# Altium PCB Main_Power_Uint_1st.PcbDoc (part 1 of 2) (continued)
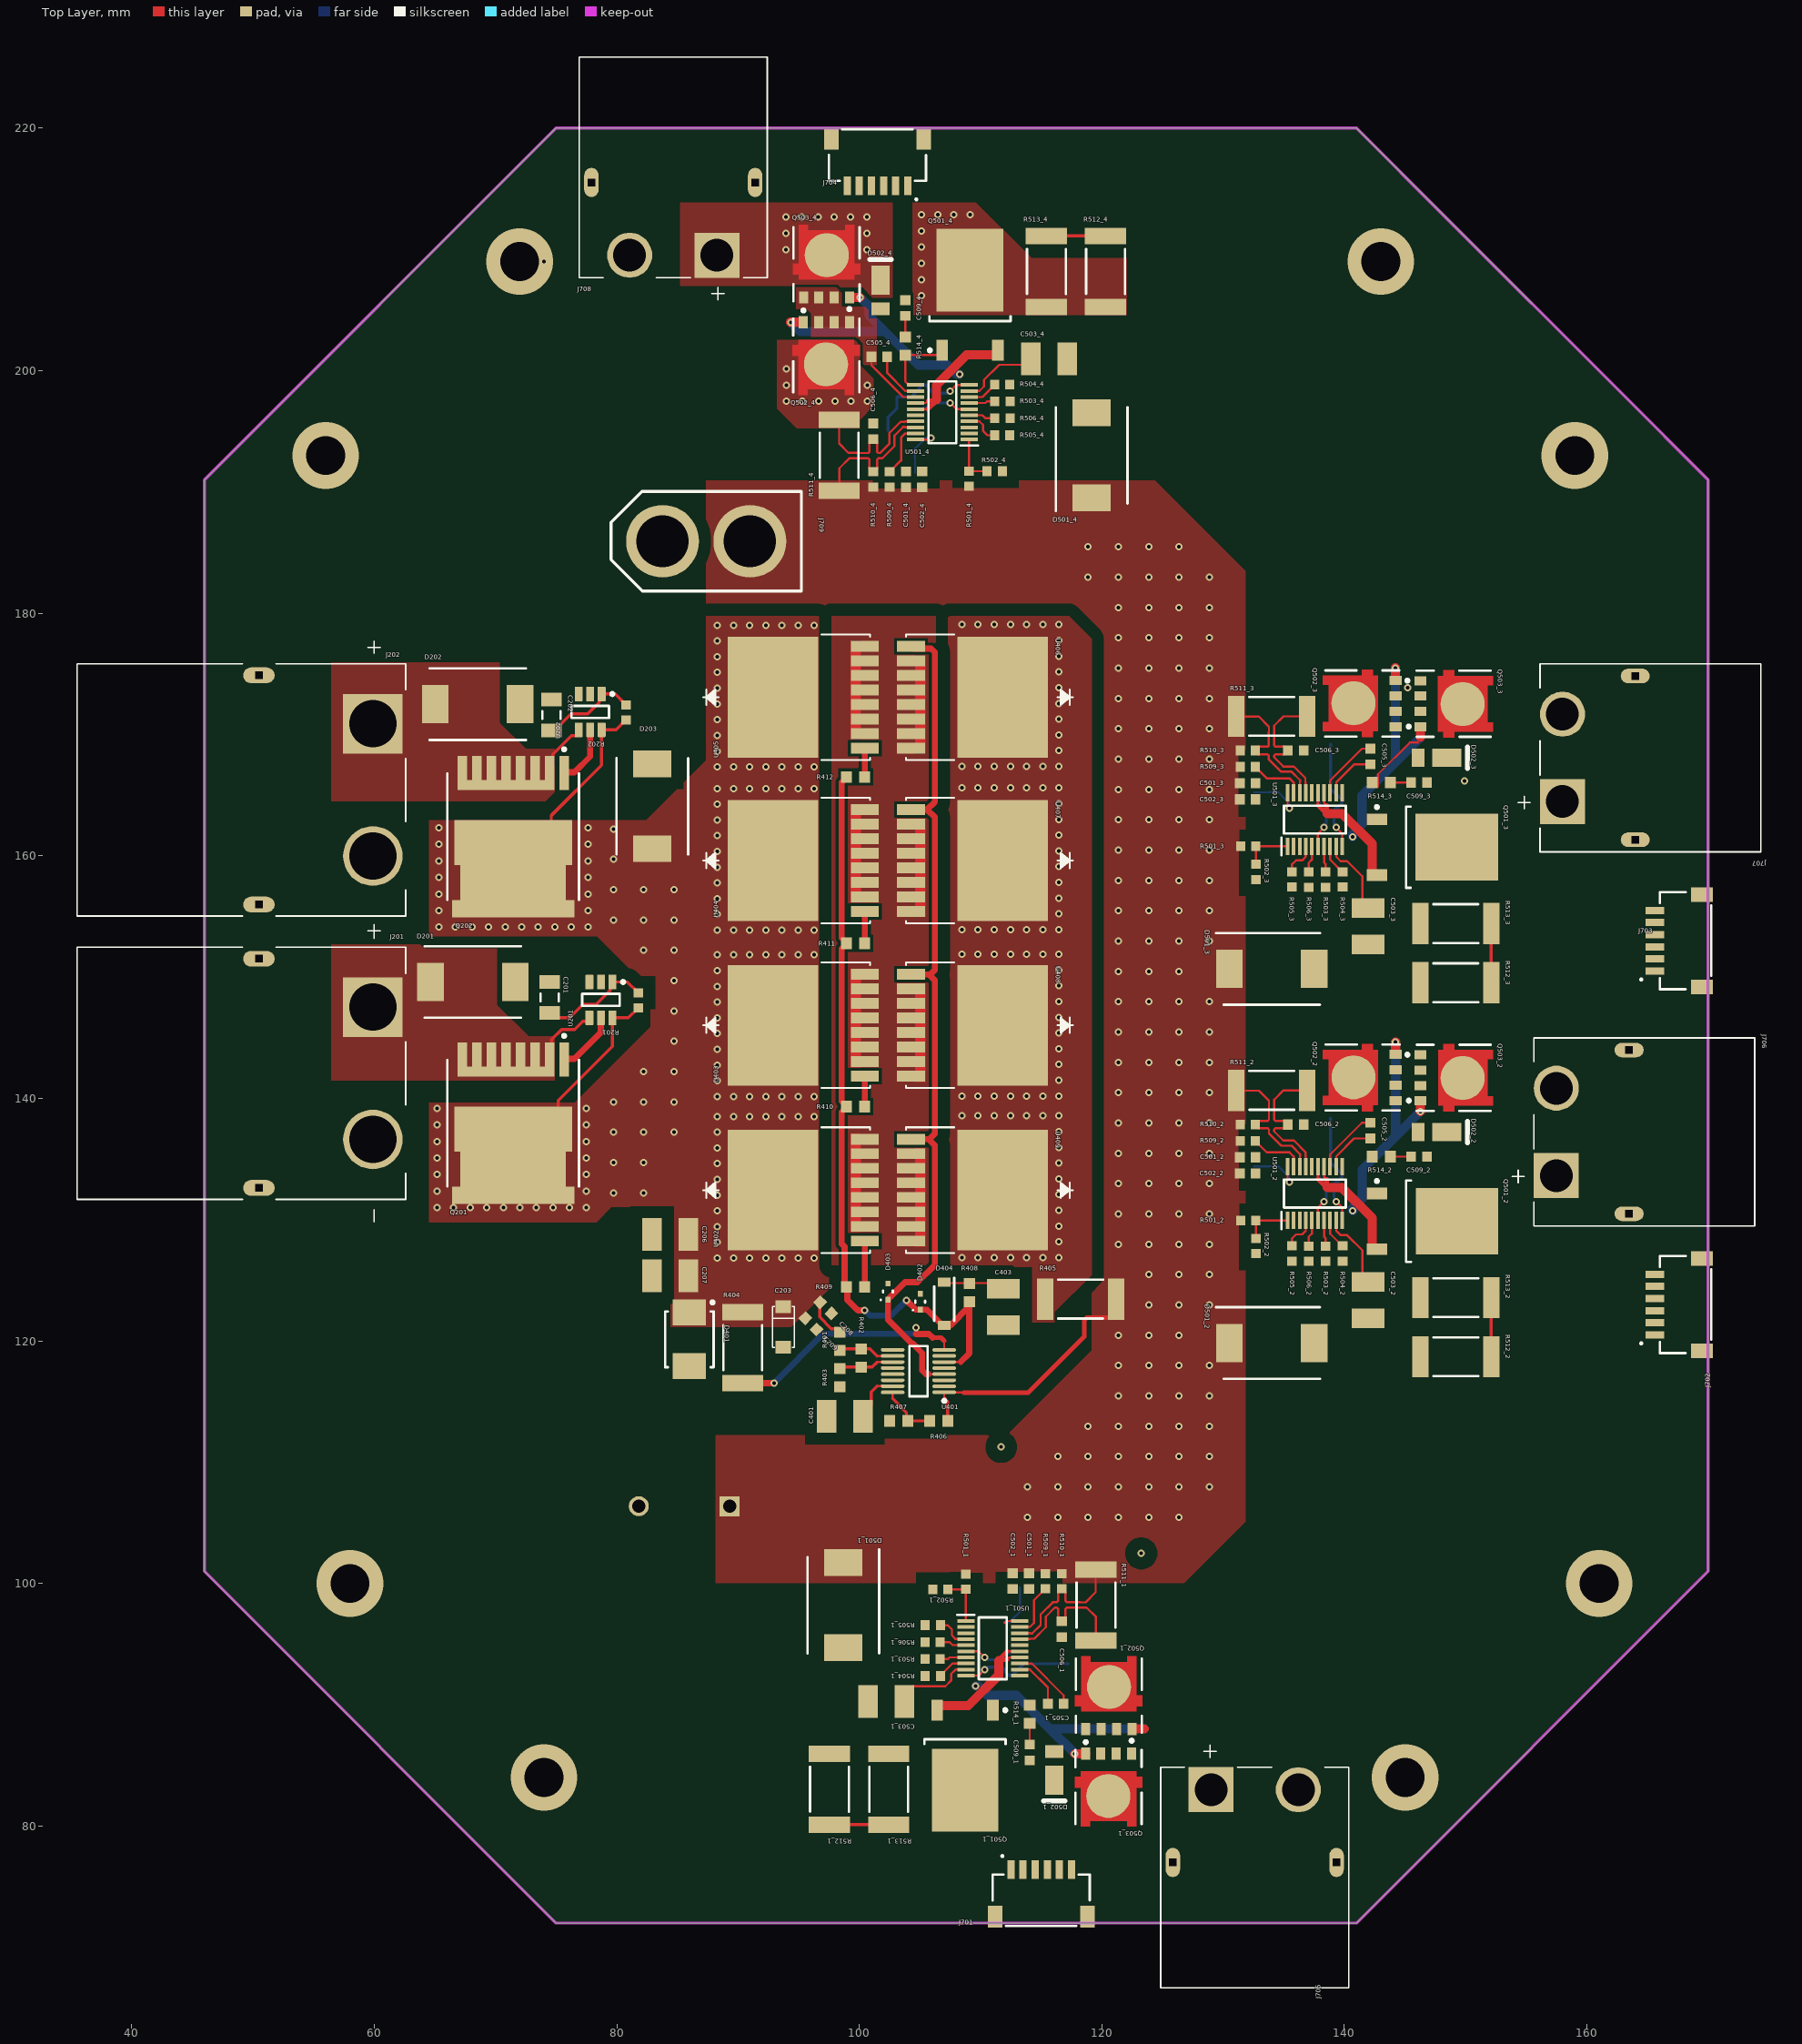
[diagram p0: Top Layer view]
## Components (designator, comment, footprint, x,y, rotation, side; value= is the part's Value field where it differs from the comment)
C201 "non-polar_Capacitor" 1206 74.457,148.317 r270 top
C202 "non-polar_Capacitor" 1206 74.605,171.612 r270 top
C203 "Capacitor_tantal" SMD_Capacitor_tantal 93.729,121.153 r90 top
C204 "470µF" CAPAE1900X2200N#1 81.995,167.179 r135 bottom
C205 "470µF" CAPAE1900X2200N#1 81.995,131.017 r225 bottom
C206 "non-polar_Capacitor" 1210 84.415,128.773 r180 top
C207 "non-polar_Capacitor" 1210 84.415,125.388 r0 top
C208 "non-polar_Capacitor" 0603#1 97.236,122.725 r135 top
C209 "non-polar_Capacitor" 0603#1 96.015,121.407 r135 top
C401 "non-polar_Capacitor" 1210 98.809,113.787 r0 top
C402 "B41858C9477M000" CAPPRD750W90D1800H3700 89.316,106.37 r180 bottom
C403 "non-polar_Capacitor" 1210 111.89,122.791 r90 top
C500_1 "470µF" CAPAE1900X2200N#2 108.853,165.1 r180 bottom (schematic designator C500)
C500_2 "470µF" CAPAE1900X2200N#2 139.954,99.695 r315 bottom (schematic designator C500)
C500_3 "470µF" CAPAE1900X2200N#2 139.954,189.484 r45 bottom (schematic designator C500)
C500_4 "470µF" CAPAE1900X2200N#2 108.853,134.493 r180 bottom (schematic designator C500)
C501_1 "CIN" 0603#1 114.003,100.196 r90 top (schematic designator C501)
C501_2 "CIN" 0603#1 132.031,135.148 r180 top (schematic designator C501)
C501_3 "CIN" 0603#1 132.028,165.988 r180 top (schematic designator C501)
C501_4 "CIN" 0603#1 103.848,191.039 r270 top (schematic designator C501)
C502_1 "CIN" 0603#1 112.657,100.196 r90 top (schematic designator C502)
C502_2 "CIN" 0603#1 132.031,133.802 r180 top (schematic designator C502)
C502_3 "CIN" 0603#1 132.028,164.642 r180 top (schematic designator C502)
C502_4 "CIN" 0603#1 105.194,191.039 r270 top (schematic designator C502)
C503_1 "C(TMR)" 1210 102.218,90.264 r0 top (schematic designator C503)
C503_2 "C(TMR)" 1210 141.963,123.363 r90 top (schematic designator C503)
C503_3 "C(TMR)" 1210 141.96,154.202 r90 top (schematic designator C503)
C503_4 "C(TMR)" 1210 115.633,200.971 r180 top (schematic designator C503)
C505_1 "CBST" 0603#1 116.198,90.086 r0 top (schematic designator C505)
C505_2 "CBST" 0603#1 142.141,137.343 r90 top (schematic designator C505)
C505_3 "CBST" 0603#1 142.138,168.183 r90 top (schematic designator C505)
C505_4 "CBST" 0603#1 101.653,201.149 r180 top (schematic designator C505)
C506_1 "C(SCP)" 0603#1 116.696,96.233 r270 top (schematic designator C506)
C506_2 "C(SCP)" 0603#1 135.994,137.841 r0 top (schematic designator C506)
C506_3 "C(SCP)" 0603#1 135.991,168.68 r0 top (schematic designator C506)
C506_4 "C(SCP)" 0603#1 101.155,195.002 r90 top (schematic designator C506)
C507_1 "C(TMR)" 0603#1 112.615,98.401 r0 bottom (schematic designator C507)
C507_2 "C(TMR)" 0603#1 133.826,133.76 r90 bottom (schematic designator C507)
C507_3 "C(TMR)" 0603#1 133.823,164.6 r90 bottom (schematic designator C507)
C507_4 "C(TMR)" 0603#1 105.236,192.834 r180 bottom (schematic designator C507)
C508_1 "C(TMR)" 1210 118.728,93.378 r0 bottom (schematic designator C508)
C508_2 "C(TMR)" 1210 138.849,139.873 r90 bottom (schematic designator C508)
C508_3 "C(TMR)" 1210 138.846,170.712 r90 bottom (schematic designator C508)
C508_4 "C(TMR)" 1210 102.362,193.556 r270 bottom (schematic designator C508)
C509_1 "C(TMR)" 0603#1 114.054,86.072 r270 top (schematic designator C509)
C509_2 "C(TMR)" 0603#1 146.155,135.199 r0 top (schematic designator C509)
C509_3 "C(TMR)" 0603#1 146.152,166.039 r0 top (schematic designator C509)
C509_4 "C(TMR)" 0603#1 103.797,205.163 r90 top (schematic designator C509)
D201 "SMDJ58A" DIONM7959X262N 68.131,149.592 r0 top
D202 "SMDJ58A" DIONM7959X262N 68.536,172.501 r0 top
D203 "SMDJ58A" DIONM7959X262N 82.934,164.079 r90 top
D401 "1SMB5945BT3G" ONSC-SMB-2-403A-03_H_V 85.982,120.137 r270 top
D402 "MM5Z15VT1G" ONSC-SOD-523-2-502-01_V 105.023,123.234 r90 top
D403 "MM5Z15VT1G" ONSC-SOD-523-2-502-01_V 102.365,124.074 r90 top
D404 "SMD110PL-TP" SODFL3616X135N 107,123.066 r270 top
D501_1 "SMLJ58AQ-TP" DIOM7959X282N 98.687,98.214 r270 top (schematic designator D501)
D501_2 "SMLJ58AQ-TP" DIOM7959X282N 134.013,119.832 r0 top (schematic designator D501)
D501_3 "SMLJ58AQ-TP" DIOM7959X282N 134.01,150.672 r0 top (schematic designator D501)
D501_4 "SMLJ58AQ-TP" DIOM7959X282N 119.164,193.021 r90 top (schematic designator D501)
D502_1 "DFLS1100-7" DIOD-POWERDI123-2_V 116.086,84.625 r270 top (schematic designator D502)
D502_2 "DFLS1100-7" DIOD-POWERDI123-2_V 147.602,137.231 r0 top (schematic designator D502)
D502_3 "DFLS1100-7" DIOD-POWERDI123-2_V 147.599,168.071 r0 top (schematic designator D502)
D502_4 "DFLS1100-7" DIOD-POWERDI123-2_V 101.765,206.61 r90 top (schematic designator D502)
J201 "XT90PW-M" AMASS_XT90PW-M 50.493,142.065 r270 top
J202 "XT90PW-M" AMASS_XT90PW-M 50.493,165.433 r270 top
J701 "SM06B-SRSS-TB__LF__SN_" SM06B-SRSS-TB 115,76 r0 top
J702 "SM06B-SRSS-TB__LF__SN_" SM06B-SRSS-TB 166,123 r90 top
J703 "SM06B-SRSS-TB__LF__SN_" SM06B-SRSS-TB 166,153 r90 top
J704 "SM06B-SRSS-TB__LF__SN_" SM06B-SRSS-TB 101.5,215.65 r180 top
J705 "XT60PW-M" XT60PW-M 132.6,77 r180 top
J706 "XT60PW-M" XT60PW-M 163.474,137.236 r270 top
J707 "XT60PW-M" XT60PW-M 163.982,168.072 r270 top
J708 "XT60PW-M" XT60PW-M 84.665,215.517 r0 top
J709 "XT60-F" XT60_F 87.376,185.934 r0 top
Q201 "Trans_Infineon_IPT015N10N5_eec" Infineon_IPT015N10N5_0 71.457,137.957 r180 top
Q202 "Trans_Infineon_IPT015N10N5_eec" Infineon_IPT015N10N5_0 71.457,161.579 r180 top
Q501_1 "IPD068N10N3 G" INF-PG-TO252-3-11_A_L 108.72,84.952 r270 top (schematic designator Q501)
Q501_2 "IPD068N10N3 G" INF-PG-TO252-3-11_A_L 147.275,129.865 r0 top (schematic designator Q501)
Q501_3 "IPD068N10N3 G" INF-PG-TO252-3-11_A_L 147.272,160.705 r0 top (schematic designator Q501)
Q501_4 "IPD068N10N3 G" INF-PG-TO252-3-11_A_L 109.131,206.283 r90 top (schematic designator Q501)
Q502_1 "NVMFS015N10MCLT1G" FP-488AA-MFG 120.573,90.741 r0 top (schematic designator Q502)
Q502_2 "NVMFS015N10MCLT1G" FP-488AA-MFG 141.486,141.718 r90 top (schematic designator Q502)
Q502_3 "NVMFS015N10MCLT1G" FP-488AA-MFG 141.483,172.558 r90 top (schematic designator Q502)
Q502_4 "NVMFS015N10MCLT1G" FP-488AA-MFG 97.278,201.256 r180 top (schematic designator Q502)
Q503_1 "NVMFS015N10MCLT1G" FP-488AA-MFG 120.552,83.214 r180 top (schematic designator Q503)
Q503_2 "NVMFS015N10MCLT1G" FP-488AA-MFG 149.013,141.697 r270 top (schematic designator Q503)
Q503_3 "NVMFS015N10MCLT1G" FP-488AA-MFG 149.01,172.537 r270 top (schematic designator Q503)
Q503_4 "NVMFS015N10MCLT1G" FP-488AA-MFG 97.299,208.783 r0 top (schematic designator Q503)
Q504_1 "MMBT3904" FAIR-SOT23-3_V 113.648,93.378 r0 bottom (schematic designator Q504)
Q504_2 "MMBT3904" FAIR-SOT23-3_V 138.849,134.793 r90 bottom (schematic designator Q504)
Q504_3 "MMBT3904" FAIR-SOT23-3_V 138.846,165.632 r90 bottom (schematic designator Q504)
Q504_4 "MMBT3904" FAIR-SOT23-3_V 104.203,197.857 r180 bottom (schematic designator Q504)
R201 "Resistor" 0603#2 81.791,148.077 r270 top
R202 "Resistor" 0603#2 80.775,171.826 r270 top
R401 "464kΩ" SMD_0603 98.384,119.96 r270 top
R402 "6.65kΩ" SMD_0603 100.162,118.587 r270 top
R403 "10kΩ" SMD_0603 98.384,116.962 r270 top
R404 "2.2kΩ" SMD_2512 90.383,119.446 r270 top
R405 "0.5mΩ" SMD_2512 118.24,123.439 r0 top
R406 "442kΩ" SMD_0603 106.544,113.406 r180 top
R407 "10kΩ" SMD_0603 103.25,113.406 r180 top
R408 "470Ω" SMD_0603 109.071,123.984 r90 top
R409 "10Ω" SMD_0603 99.704,124.459 r0 top
R410 "10Ω" SMD_0603 99.704,139.321 r0 top
R411 "10Ω" SMD_0603 99.704,152.783 r0 top
R412 "10Ω" SMD_0603 99.704,166.499 r0 top
R501_1 "R1" 0603#2 108.794,100.146 r90 top (schematic designator R501)
R501_2 "R1" 0603#2 132.081,129.939 r180 top (schematic designator R501)
R501_3 "R1" 0603#2 132.078,160.779 r180 top (schematic designator R501)
R501_4 "R1" 0603#2 109.057,191.089 r270 top (schematic designator R501)
R502_1 "R2" 0603#2 106.688,99.521 r0 top (schematic designator R502)
R502_2 "R2" 0603#2 132.706,127.833 r90 top (schematic designator R502)
R502_3 "R2" 0603#2 132.703,158.673 r90 top (schematic designator R502)
R502_4 "R2" 0603#2 111.163,191.714 r180 top (schematic designator R502)
R503_1 "R(IMON)" 0603#2 106.053,93.769 r0 top (schematic designator R503)
R503_2 "R(IMON)" 0603#2 138.458,127.198 r90 top (schematic designator R503)
R503_3 "R(IMON)" 0603#2 138.455,158.038 r90 top (schematic designator R503)
R503_4 "R(IMON)" 0603#2 111.798,197.466 r180 top (schematic designator R503)
R504_1 "R(IWRN)" 0603#2 106.063,92.372 r0 top (schematic designator R504)
R504_2 "R(IWRN)" 0603#2 139.855,127.208 r90 top (schematic designator R504)
R504_3 "R(IWRN)" 0603#2 139.852,158.048 r90 top (schematic designator R504)
R504_4 "R(IWRN)" 0603#2 111.788,198.863 r180 top (schematic designator R504)
R505_1 "R1" 0603#2 106.063,96.563 r0 top (schematic designator R505)
R505_2 "R1" 0603#2 135.664,127.208 r90 top (schematic designator R505)
R505_3 "R1" 0603#2 135.661,158.048 r90 top (schematic designator R505)
R505_4 "R1" 0603#2 111.788,194.672 r180 top (schematic designator R505)
R506_1 "R1" 0603#2 106.053,95.166 r0 top (schematic designator R506)
R506_2 "R1" 0603#2 137.061,127.198 r90 top (schematic designator R506)
R506_3 "R1" 0603#2 137.058,158.038 r90 top (schematic designator R506)
R506_4 "R1" 0603#2 111.798,196.069 r180 top (schematic designator R506)
R508_1 "R(ISCP)" 0603#2 113.25,100.296 r90 bottom (schematic designator R508)
R508_2 "R(ISCP)" 0603#2 131.931,134.395 r180 bottom (schematic designator R508)
R508_3 "R(ISCP)" 0603#2 131.928,165.235 r180 bottom (schematic designator R508)
R508_4 "R(ISCP)" 0603#2 104.601,190.939 r270 bottom (schematic designator R508)
R509_1 "R(ISCP)" 0603#2 115.349,100.199 r90 top (schematic designator R509)
R509_2 "R(ISCP)" 0603#2 132.027,136.494 r180 top (schematic designator R509)
R509_3 "R(ISCP)" 0603#2 132.025,167.334 r180 top (schematic designator R509)
R509_4 "R(ISCP)" 0603#2 102.502,191.035 r270 top (schematic designator R509)
R510_1 "R(SET)" 0603#2 116.696,100.199 r270 top (schematic designator R510)
R510_2 "R(SET)" 0603#2 132.027,137.841 r0 top (schematic designator R510)
R510_3 "R(SET)" 0603#2 132.025,168.68 r0 top (schematic designator R510)
R510_4 "R(SET)" 0603#2 101.155,191.035 r90 top (schematic designator R510)
R511_1 "1.25mΩ" SMD_2512 119.515,98.214 r90 top (schematic designator R511)
R511_2 "1.25mΩ" SMD_2512 134.013,140.66 r180 top (schematic designator R511)
R511_3 "1.25mΩ" SMD_2512 134.01,171.5 r180 top (schematic designator R511)
R511_4 "1.25mΩ" SMD_2512 98.336,193.021 r270 top (schematic designator R511)
R512_1 "220Ω" SMD_2512 97.544,83.047 r270 top (schematic designator R512)
R512_2 "220Ω" SMD_2512 149.18,118.689 r0 top (schematic designator R512)
R512_3 "220Ω" SMD_2512 149.177,149.529 r0 top (schematic designator R512)
R512_4 "220Ω" SMD_2512 120.307,208.188 r90 top (schematic designator R512)
R513_1 "220Ω" SMD_2512 102.43,83.047 r270 top (schematic designator R513)
R513_2 "220Ω" SMD_2512 149.18,123.575 r0 top (schematic designator R513)
R513_3 "220Ω" SMD_2512 149.177,154.415 r0 top (schematic designator R513)
R513_4 "220Ω" SMD_2512 115.421,208.188 r90 top (schematic designator R513)
R514_1 "220Ω" SMD_0603 114.054,89.2 r90 top (schematic designator R514)
R514_2 "220Ω" SMD_0603 143.027,135.199 r180 top (schematic designator R514)
R514_3 "220Ω" SMD_0603 143.024,166.039 r180 top (schematic designator R514)
R514_4 "220Ω" SMD_0603 103.797,202.035 r270 top (schematic designator R514)
U201 "FET_LM5050MK-1/NOPB" DDC0006A_M 78.696,148.117 r270 top
U202 "FET_LM5050MK-1/NOPB" DDC0006A_M 77.807,171.866 r270 top
U401 "LTC4364IMS-2#PBF" LT-MS-16_M 104.875,117.513 r180 top
U402 "IPT015N10N5ATMA1" PG-HSOF-8-1_INF 95.463,132.434 r90 top
U403 "IPT015N10N5ATMA1" PG-HSOF-8-1_INF 95.463,146.023 r90 top
U404 "IPT015N10N5ATMA1" PG-HSOF-8-1_INF 95.463,159.612 r90 top
U405 "IPT015N10N5ATMA1" PG-HSOF-8-1_INF 95.463,173.074 r90 top
U406 "IPT015N10N5ATMA1" PG-HSOF-8-1_INF 109.265,173.074 r270 top
U407 "IPT015N10N5ATMA1" PG-HSOF-8-1_INF 109.265,159.612 r270 top
U408 "IPT015N10N5ATMA1" PG-HSOF-8-1_INF 109.265,146.023 r270 top
U409 "IPT015N10N5ATMA1" PG-HSOF-8-1_INF 109.265,132.434 r270 top
U501_1 "TPS48111-Q1" SOP50P490X110-20N 111.006,94.658 r0 top (schematic designator U501)
U501_2 "TPS48111-Q1" SOP50P490X110-20N 137.569,132.151 r90 top (schematic designator U501)
U501_3 "TPS48111-Q1" SOP50P490X110-20N 137.566,162.991 r90 top (schematic designator U501)
U501_4 "TPS48111-Q1" SOP50P490X110-20N 106.845,196.577 r180 top (schematic designator U501)

## Footprints (in the part's own frame and the unit in brackets; to place one, negate y for a bottom-side part, rotate by r counter-clockwise, add the part's x,y. Pads: shape width x height; smd on the part's side, far side on the other; paste and mask are expansions set on the pad)
0603#1 [mm]
  rect 0.8x0.85 smd: 1(-0.65,0) 2(0.65,0)
  body extent -0.85,-0.45 0.85,0.45, height 1
0603#2 [mm]
  rect 0.75x0.8 smd: 1(-0.625,0) 2(0.625,0)
  body extent -0.85,-0.45 0.85,0.45, height 0.55
1206 [mm]
  rect 1.15x1.7 smd: 1(-1.275,0) 2(1.275,0)
  silkscreen extent -0.3,-0.75 0.3,0.75, body extent -1.7,-0.9 1.7,0.9, height 1.8
1210 [mm]
  rect 1.6x2.7 smd: 1(-1.5,0) 2(1.5,0)
  body extent -1.75,-1.4 1.75,1.4, height 2.8
AMASS_XT90PW-M [mm]
  round 4.916 hole 3.9: N(5.45,9.4)
  rect 4.916x4.916 / inner round 4.916 / far side rect 4.916x4.916 hole 3.9: P(-5.45,9.4)
  oval 1.3x2.6 hole 0.6 square: S1(-9.45,0) S2(9.45,0)
  silkscreen extent -12.25,-15 12.25,12.1, body extent -10.6,-15 10.6,12.1, height 10.3
CAPAE1900X2200N#1 [mm]
  rect 8.05x2.45 smd: 1(-7.25,0) 2(7.25,0)
  silkscreen extent -11.28,-9.5 9.5,9.5, body extent -10.5,-9.5 10.5,9.5, height 22
CAPAE1900X2200N#2 [mm]
  rect 8.06x2.41 smd: 1(-7.225,0) 2(7.225,0)
  silkscreen extent -10.35,-9.5 9.5,9.5, body extent -10.5,-9.5 10.5,9.5, height 22
CAPPRD750W90D1800H3700 [mm]
  rect 1.65x1.65 hole 1.1: 1(0,0)
  round 1.65 hole 1.1: 2(7.5,0)
  silkscreen extent -5.25,-9 12.75,9, body extent -4.35,-8.1 11.85,8.1, height 35.86
DDC0006A_M [mm] "SOT23, 6-Leads, Body 3.05x1.75mm, Pitch 0.95mm, IPC Low Density"
  rrect15% 1.2x0.65 smd: 1(-1.475,0.95) 2(-1.475,0) 3(-1.475,-0.95) 4(1.475,-0.95) 5(1.475,0) 6(1.475,0.95)
  silkscreen extent -1.6,-1.55 0.5,1.95, body extent -1.43,-1.48 1.43,1.49, height 0.9
DIOD-POWERDI123-2_V [mm] "SOD, 2-Leads, Body 2.8x1.78mm"
  rect 1.05x1.5 smd: 1(-1.525,0)
  rect 2.4x1.5 smd: 2(0.85,0)
  silkscreen extent 2.55,-0.89 2.55,0.89, body extent -1.4,-0.89 1.4,0.89, height 1.01
DIOM7959X282N [mm]
  rect 2.2x3.15 smd: 1(-3.5,0) 2(3.5,0)
  silkscreen extent -4.6,-2.95 3.97,2.95, body extent -4,-3.05 4,3.05, height 2.5
DIONM7959X262N [mm]
  rect 2.2x3.15 smd: 1(-3.5,0) 2(3.5,0)
  silkscreen extent -3.97,-2.95 3.97,2.95, body extent -3.97,-2.95 3.97,2.95, height 2.62
FAIR-SOT23-3_V [mm] "SOT23, 3-Leads, Body 3.12x1.5mm, Pitch 0.95mm"
  rect 1.4x1 smd: 1(-1.1,0.95) 2(-1.1,-0.95) 3(1.1,0)
  silkscreen extent -1.22,-1.55 0.75,2.12, body extent -1.35,-1.56 1.35,1.56, height 1.2
FP-488AA-MFG [mm]
  rect 0.75x1 smd paste+0 mask+0: 1(-1.905,-2.748) 2(-0.635,-2.748) 3(0.635,-2.748) 4(1.905,-2.748)
  round 3.631 smd paste+0 mask+0: 5-6(0.021,0.735)
  Top Layer region: -2.28,-1.282 -2.28,-0.857 -2.775,-0.857 -2.775,0.048 -2.28,0.048 -2.28,3.247 -1.53,3.247 -1.53,2.773 1.53,2.773 1.53,3.247 2.28,3.247 2.28,0.048 2.775,0.048 2.775,-0.857 2.28,-0.857 2.28,-1.282
  silkscreen extent -2.73,-3.95 2.73,3.05, body extent -2.88,-3.35 2.88,3.35, height 0.25
INF-PG-TO252-3-11_A_L [mm] "DPAK, 3-Leads, Body 6.57x6.1mm, Pitch 2.29mm, IPC High Density"
  rect 1.7x0.95 smd: 1(-4.6,2.29) 3(-4.6,-2.29)
  rect 6.8x5.5 smd: 2(2,0)
  silkscreen extent -4.72,-3.35 -1.8,3.44, body extent -2.2,-3.37 4.02,3.37, height 2.41
Infineon_IPT015N10N5_0 [mm]
  rect 0.8x2.8 smd paste-1000 mask+0: 1(-4.2,-5.25)
  rect 0.8x2 smd paste-1000 mask+0: 2-8(-3,-5.65) 2-8(-1.8,-5.65) 2-8(-0.6,-5.65) 2-8(0.6,-5.65) 2-8(1.8,-5.65) 2-8(3,-5.65) 2-8(4.2,-5.65)
  rect 8x0.8 smd paste-1000 mask+0: 2-8(0.6,-4.25)
  rect 10.1x1.4 smd paste-1000 mask+0: Tab(0,5.95)
  rect 8.7x2.9 smd paste-1000 mask+0: Tab(0,3.8)
  rect 9.7x3.7 smd paste-1000 mask+0: Tab(0,0.5)
  silkscreen extent -5.43,-7.32 5.43,5.22, body extent -4.95,-5.33 4.95,6.34, height 2.3
LT-MS-16_M [mm] "SOP, 16-Leads, Body 4.1x3.1mm, Pitch 0.5mm, IPC Low Density"
  oval 1.95x0.3 smd: 1(-2.125,1.75) 2(-2.125,1.25) 3(-2.125,0.75) 4(-2.125,0.25) 5(-2.125,-0.25) 6(-2.125,-0.75) 7(-2.125,-1.25) 8(-2.125,-1.75) 9(2.125,-1.75) 10(2.125,-1.25) 11(2.125,-0.75) 12(2.125,-0.25) 13(2.125,0.25) 14(2.125,0.75) 15(2.125,1.25) 16(2.125,1.75)
  silkscreen extent -2.25,-2.08 0.75,2.57, body extent -1.55,-2.05 1.55,2.05, height 1.1
ONSC-SMB-2-403A-03_H_V [mm] "Molded, 2-Leads, Body 4.6x3.95mm"
  rect 2.159x2.743 smd: 1(-2.21,0) 2(2.21,0)
  silkscreen extent -3.16,-2 2.3,2.05, body extent -2.3,-1.97 2.3,1.97, height 2.42
ONSC-SOD-523-2-502-01_V [mm] "SOD, 2-Leads, Body 1.2x0.8mm"
  rect 0.48x0.4 smd: 1(-0.66,0) 2(0.66,0)
  silkscreen extent -0.75,-0.4 0.07,0.65, body extent -0.6,-0.4 0.6,0.4, height 0.7
PG-HSOF-8-1_INF [mil]
  rect 35x91 smd paste+0 mask+0: 1(-165.35,-196.5) 2(-118.11,-196.5) 3(-70.87,-196.5) 4(-23.62,-196.5) 5(23.62,-196.5) 6(70.87,-196.5) 7(118.11,-196.5) 8(165.35,-196.5)
  rect 392x294 smd paste+0 mask+0: 9(0,101)
  Top Layer region: -135.61,-183 -135.61,-151 182.85,-151 182.85,-183
  silkscreen extent -204,-214 204,328
SM06B-SRSS-TB [mm]
  rect 0.6x1.55 smd: 1(-2.5,0.4) 2(-1.5,0.4) 3(-0.5,0.4) 4(0.5,0.4) 5(1.5,0.4) 6(2.5,0.4)
  rect 1.2x1.8 smd: 7(3.8,-3.475) 8(-3.8,-3.475)
  silkscreen extent -4,-4.25 4,1.59, body extent -4,-4.18 4,0.77, height 2.96
SMD_0603 [mm] "SMD 0603 SIZE"
  rect 0.9x0.95 smd: 1(-0.75,0) 2(0.75,0)
  body extent -0.85,-0.48 0.85,0.48, height 0.55
SMD_2512 [mm] "SMD 2512 SIZE"
  rect 1.35x3.4 smd: 1(-2.925,0) 2(2.925,0)
  silkscreen extent -1.85,-1.6 1.85,1.6, body extent -3.25,-1.7 3.25,1.7, height 0.7
SMD_Capacitor_tantal [mm] "Molded Capacitor, 2-Leads, Body 3.20x1.65mm, IPC Medium Density"
  rect 1.05x1.3 smd: 1(-1.675,0) 2(1.675,0)
  silkscreen extent -1.7,-0.9 1.7,0.9, body extent -1.7,-0.9 1.7,0.9, height 1.8
SODFL3616X135N [mm]
  rect 0.74x1.07 smd: 1(-1.775,0) 2(1.775,0)
  silkscreen extent -2.14,-0.82 1.41,0.82, body extent -1.8,-0.8 1.8,0.8, height 1.2
SOP50P490X110-20N [mm]
  rect 1.425x0.3 smd: 1(-2.212,2.25) 2(-2.212,1.75) 3(-2.212,1.25) 4(-2.212,0.75) 5(-2.212,0.25) 6(-2.212,-0.25) 7(-2.212,-0.75) 8(-2.212,-1.25) 9(-2.212,-1.75) 10(-2.212,-2.25) 11(2.212,-2.25) 12(2.212,-1.75) 13(2.212,-1.25) 14(2.212,-0.75) 15(2.212,-0.25) 16(2.212,0.25) 17(2.212,0.75) 18(2.212,1.25) 19(2.212,1.75) 20(2.212,2.25)
  silkscreen extent -2.92,-2.55 1.15,2.75, body extent -2.45,-2.55 2.45,2.55, height 1.1
XT60_F [mm]
  round 6 hole 4.3: 1(-3.6,0) 2(3.6,0)
  silkscreen extent -7.85,-4.1 7.85,4.1, body extent -7.8,-4 7.8,4, height 16.8
XT60PW-M [mm]
  rect 3.716x3.716 / inner round 3.716 / far side rect 3.716x3.716 hole 2.7: 1(3.6,-6)
  round 3.716 hole 2.7: 2(-3.6,-6)
  oval 1.2x2.4 hole 0.6 square: S1(6.75,0) S2(-6.75,0)
  silkscreen extent -7.75,-9.66 7.75,10.35, body extent -7.75,-7.85 7.75,10.35, height 8.4

## Part data
C201 C202: library part CMP-024-000020-15, "SMD type ceramic capacitor", Capacitance=0.1µF, Voltage=100V, Design Item ID=Capacitor, Source=robit_passive.SchLib
C203: library part CMP-024-000021-5, "SMD type tantalum capacitor", Capacitance=100nF, Voltage=63V, Design Item ID=Capacitor_tantal, Source=robit_passive.SchLib
C204 C205: library part MAL215099913E3, "Capacitor Polarised", Manufacturer_Name=Vishay, Mouser Part Number=594-MAL215099913E3, Arrow Part Number=MAL215099913E3, Arrow Price/Stock=null?region=nac, Datasheet Link=https://www.vishay.com/docs/28395/150crz.pdf, Height=22mm, Manufacturer_Part_Number=MAL215099913E3, Mouser Price/Stock=https://www.mouser.co.uk/ProductDetail/Vishay-BC-Components/MAL215099913E3?qs=bKenfurwlsm0xND%252Ba3hAeg%3D%3D
C206 C207: library part CMP-024-000020-16, "SMD type ceramic capacitor", Capacitance=4.7µF, Voltage=100V, Design Item ID=Capacitor, Source=robit_passive.SchLib
C208 C209: library part CMP-024-000020-16, "SMD type ceramic capacitor", Capacitance=0.1µF, Voltage=100V, Design Item ID=Capacitor, Source=robit_passive.SchLib
C401: library part CMP-024-000020-15, "SMD type ceramic capacitor", Capacitance=0.47µF, Voltage=50V, Design Item ID=Capacitor, Source=robit_passive.SchLib
C402: "Capacitor Polarised", Manufacturer_Name=TDK, Mouser Part Number=871-B41858C9477M, Datasheet Link=https://product.tdk.com/system/files/dam/doc/product/capacitor/aluminum-electrolytic/single-ended/data_sheet/20/30/db/aec/b41858.pdf, Height=37mm, Manufacturer_Part_Number=B41858C9477M000, Mouser Price/Stock=https://www.mouser.co.uk/ProductDetail/EPCOS-TDK/B41858C9477M000?qs=nadT%2FcWsIvCTpIhXZMST%2FQ%3D%3D
C403: library part CMP-024-000020-15, "SMD type ceramic capacitor", Capacitance=47nF, Voltage=50V, Design Item ID=Capacitor, Source=robit_passive.SchLib
C500_1 C500_2 C500_3 C500_4: library part MAL215099913E3, "Cap Aluminum Lytic 470uF 100V 20% (18 X 21mm) SMD 1450mA 5000h 105Â°C Automotive AEC-Q200 T/R", Package=None, Check_prices=https://www.snapeda.com/parts/MAL215099913E3/Vishay/view-part/?ref=eda, MF="Vishay Beyschlag/Draloric", MP=MAL215099913E3, SnapEDA_Link=https://www.snapeda.com/parts/MAL215099913E3/Vishay/view-part/?ref=snap
C501_1 C501_2 C501_3 C501_4: library part CMP-024-000020-15, "SMD type ceramic capacitor", Capacitance=10µF, Voltage=50V, Design Item ID=Capacitor, Source=robit_passive.SchLib
C502_1 C502_2 C502_3 C502_4 C507_1 C507_2 C507_3 C507_4: library part CMP-024-000020-15, "SMD type ceramic capacitor", Capacitance=0.1µF, Voltage=50V, Design Item ID=Capacitor, Source=robit_passive.SchLib
C503_1 C503_2 C503_3 C503_4: library part CMP-024-000020-15, "SMD type ceramic capacitor", Capacitance=20.5µF, Voltage=50V, Design Item ID=Capacitor, Source=robit_passive.SchLib
C505_1 C505_2 C505_3 C505_4: library part CMP-024-000020-15, "SMD type ceramic capacitor", Capacitance=68nF, Voltage=50V, Design Item ID=Capacitor, Source=robit_passive.SchLib
C506_1 C506_2 C506_3 C506_4 C508_1 C508_2 C508_3 C508_4: library part CMP-024-000020-15, "SMD type ceramic capacitor", Capacitance=1nF, Voltage=50V, Design Item ID=Capacitor, Source=robit_passive.SchLib
C509_1 C509_2 C509_3 C509_4: library part CMP-024-000020-15, "SMD type ceramic capacitor", Capacitance=470nF, Voltage=50V, Design Item ID=Capacitor, Source=robit_passive.SchLib
D201 D202 D203: "TVS Diode (Uni-directional)", Manufacturer_Name=LITTELFUSE, Mouser Part Number=576-SMDJ58A, Arrow Part Number=SMDJ58A, Arrow Price/Stock=https://www.arrow.com/en/products/smdj58a/littelfuse?utm_currency=USD&region=nac, Datasheet Link=https://mouser.componentsearchengine.com/Datasheets/2/SMDJ58A.pdf, Height=2.62mm, Manufacturer_Part_Number=SMDJ58A, Mouser Price/Stock=https://www.mouser.co.uk/ProductDetail/Littelfuse/SMDJ58A?qs=zL8PTTxXkF2zAaoXCy3ytQ%3D%3D
D401: library part CMP-1060-00175-1, "3 W Zener Voltage Regulator, 2-Pin SMB, Pb-Free, Tape and Reel", Manufacturer="On Semiconductor", ComponentLink1Description="Manufacturer URL", ComponentLink1URL=http://www.onsemi.com/, ComponentLink2Description=Datasheet, ComponentLink2URL=http://www.onsemi.com/pub_link/Collateral/1SMB5913BT3-D.PDF, ComponentLink3Description="Package Specification", ComponentLink3URL=http://www.onsemi.com/pub_link/Collateral/1SMB5913BT3-D.PDF, DatasheetVersion="Rev. 8", Mounting Technology="Surface Mount", PackageDescription="2-Pin Small Molded Package, J-Bend Lead, Body 4.33 x 3.625 mm", PackageReference=SMB-2-403A-03_H, PackageVersion="Rev. H, 05/2011", Packing="Tape and Reel", PartNumber=1SMB5945BT3G, RoHS=Pb-Free, VZ Typ (V)=68
D402 D403: library part CMP-1060-00793-1, "Zener Voltage Regulator, 500 mW, 2-Pin SOD-523, Pb-Free, Tape and Reel", Manufacturer="On Semiconductor", ComponentLink1Description="Manufacturer URL", ComponentLink1URL=http://www.onsemi.com/, ComponentLink2Description=Datasheet, ComponentLink2URL=http://www.onsemi.cn/pub_link/Collateral/MM5Z2V4T1-D.PDF, ComponentLink3Description="Package Specification", ComponentLink3URL=http://www.onsemi.com/pub_link/Collateral/502-01.PDF, DatasheetVersion="Rev. 10", Mounting Technology="Surface Mount", P Max (W)=0.5, PackageDescription="2-Pin SOD, Body 1.2 x 0.8 mm", PackageReference=SOD-523-2-502-01, PackageVersion="Rev. E, 09/2010", Packing="Tape and Reel", PartNumber=MM5Z15VT1G, RoHS=Pb-Free, VZ Typ (V)=15
D404: "Schottky Diode", Manufacturer_Name=MCC, Mouser Part Number=833-SMD110PL-TP, Arrow Part Number=SMD110PL-TP, Arrow Price/Stock=https://www.arrow.com/en/products/smd110pl-tp/micro-commercial-components?utm_currency=USD&region=europe, Datasheet Link=https://www.mccsemi.com/pdf/Products/SMD15PL-SMD1200PL(SOD-123FL).pdf, Height=1.35mm, Manufacturer_Part_Number=SMD110PL-TP, Mouser Price/Stock=https://www.mouser.co.uk/ProductDetail/Micro-Commercial-Components-MCC/SMD110PL-TP?qs=xjxbgUsuSIBtRX%252BtbqnRwQ%3D%3D
D501_1 D501_2 D501_3 D501_4: "TVS Diode (Uni-directional)", Manufacturer_Name=MCC, Datasheet Link=https://www.mccsemi.com/pdf/Products/SMLJ5.0AQ_SMLJ85CAQ(SMC).pdf, Height=2.823mm, Manufacturer_Part_Number=SMLJ58AQ-TP
D502_1 D502_2 D502_3 D502_4: library part CMP-2000-05099-1, "1 A High Voltage Schottky Barrier Rectifier, 0.62 V, -55 to 175 degC, 2- Pin POWERDI123, Pb-Free, Tape and Reel", Average Rectified Current-Max=1A, Forward Voltage=0.77V, Manufacturer="Diodes Inc", Peak Current-Max=40A, Reverse Current-Max=1µA, Reverse Voltage-Max [Vrrm]=100V, Datasheet URL=https://datasheet.ciiva.com/15144/getdatasheetpartid-44146-15144126.pdf, Datasheet Version=Sep-14, Manufacturer URL=http://www.diodes.com/
J201 J202: library part CMP-019-000092-5, "Socket; DC supply; XT90; male; PIN: 2; on PCBs; THT; Colour: yellow", Package=Package, Check_prices=https://www.snapeda.com/parts/XT90PW-M/AMASS/view-part/?ref=eda, Component Type=Standard, Design Item ID=XT90PW-M, MF=AMASS, MP=XT90PW-M, Pin Count=2, SnapEDA_Link=https://www.snapeda.com/parts/XT90PW-M/AMASS/view-part/?ref=snap, Source=XT90PW-M.SchLib, System=Connector
J701 J702 J703 J704: "Connector", Manufacturer_Name="JST (JAPAN SOLDERLESS TERMINALS)", Manufacturer_Part_Number="SM06B-SRSS-TB (LF)(SN)", Datasheet Link=http://uk.rs-online.com/web/p/products/5468827
J705 J706 J707 J708: library part CMP-019-000059-3, "Socket, DC supply, male, PIN: 2", Package=Package, Availability="Not in stock", Check_prices=https://www.snapeda.com/parts/XT60PW-M/AMASS/view-part/?ref=eda, Design Item ID=XT60PW-M, MF=AMASS, MP=XT60PW-M, Price=None, SnapEDA_Link=https://www.snapeda.com/parts/XT60PW-M/AMASS/view-part/?ref=snap, Source=robit_connector.SchLib, System=Connector
J709: library part CMP-019-000061-2, "XT60 connector", System=Connector
Q201 Q202: "TRANS MOSFET N-CH 100V 300A 8HSOF", Digikey Part Number=IPT015N10N5ATMA1CT-ND, Manufacturer=Infineon, Mouser Part Number=726-IPT015N10N5ATMA1, Package=HSOF8, Part Number=IPT015N10N5, Temperature="-55°C to +175°C", Temperature Range High=+175°C, Temperature Range Low=-55°C, ComponentLink1Description=Upverter, ComponentLink1URL=https://upverter.com/upn/revision/59ddb1136ed40b7f/, ComponentLink2Description=Datasheet, ComponentLink2URL=http://www.infineon.com/dgdl/Infineon-IPT015N10N5-DS-v02_02-EN.pdf?fileId=5546d4624a75e5f1014ac94680661aff, Digikey Description="TRANS MOSFET N-CH 100V 300A 8HSOF", helpURL=https://upverter.com/upn/revision/59ddb1136ed40b7f/, Lead Free=yes, RoHS=TRUE, Supplier 1=Digi-Key, Supplier 2=Mouser, Supplier Part Number 1=IPT015N10N5ATMA1CT-ND, Supplier Part Number 2=726-IPT015N10N5ATMA1
Q501_1 Q501_2 Q501_3 Q501_4: library part CMP-1091-00169-1, "N-Channel OptiMOS 3 Power-Transistor, 100 V VDS, 90 A ID, -55 to 175 degC, PG-TO252-3-11, Reel, Green", Manufacturer=Infineon, ComponentLink1Description="Manufacturer URL", ComponentLink1URL=http://www.infineon.com/, ComponentLink2Description=Datasheet, ComponentLink2URL=http://www.infineon.com/dgdl/IPD068N10N3+G_Rev2.1.pdf?folderId=db3a304313b8b5a60113cee8763b02d7&fileId=db3a30431ce5fb52011d1eb7aeb615d1, ComponentLink3Description="Package Specification", ComponentLink3URL=http://www.infineon.com/dgdl/IPD160N04L_rev1.0.pdf?folderId=db3a3043163797a6011643468e7505a4&fileId=db3a3043163797a60116436401cf05cf, DatasheetVersion="Rev. 2.1", Green=TRUE, ID (max)="90Â A", IDpuls (max)="360Â A", Mounting Technology="Surface Mount", PackageDescription="3-Pin Plastic (Green) Transistor Single Outline Package, 6.57 x 6.1 mm Body, 2.29 mm Pitch", PackageReference=PG-TO252-3-11, PackageVersion="Rev. 02, 03/2007", Packing=Reel, PartNumber="IPD068N10N3 G", Polarity=N, Ptot (max)="150Â W", QG="51Â nC", RDS (on) (max)="6.8Â mOhm", Rth="1Â K/W", RthJA (max)="62 K/W", RthJC (max)="1 K/W", VDS (max)="100Â V", VGS(th) (max)="3.5Â V", VGS(th) (min)="2Â V"
Q502_1 Q502_2 Q502_3 Q502_4 Q503_1 Q503_2 Q503_3 Q503_4: library part CMP-00278-108017151-1, "NVMFS015N10MCLT1G Mosfet, N-Ch, 100V, 47.1A, Dfn Rohs Compliant: Yes", Manufacturer Lifecycle Status=ACTIVE, Lifecycle Status=Production, NexarPartId=108017151
Q504_1 Q504_2 Q504_3 Q504_4: library part CMP-1670-00008-1, "NPN General Purpose Amplifier, 40 V, 0.2 A, -55 to 150 degC, 3-Pin SOT23, RoHS, Tape and Reel", Capacitance="1.8E-11 f", Frequency="12.288 MHz", Frequency Tolerance=30ppm, Load Capacitance="18 pF", Max Operating Temperature=70degC, Min Operating Temperature=-20degC, Package Quantity=1000, ComponentLink1Description="Manufacturer URL", ComponentLink1URL=https://www.fairchildsemi.com/, ComponentLink2Description=Datasheet, ComponentLink2URL=https://www.fairchildsemi.com/datasheets/MM/MMBT3904.pdf, ComponentLink3Description="Package Specification", ComponentLink3URL=http://www.fairchildsemi.com/dwg/MA/MA03D.pdf, DatasheetVersion="Rev. 1.1.0, 10/2014", ESR="40 Ohm", Height="0.041 inch", Length="0.197 inch", Mount="Surface Mount", PackageDescription="3-Pin Small Outline Transistor, Body 2.92 x 1.325 mm, Pitch 0.95 mm", PackageReference=SOT23-3, Packaging="Tape and Reel", Pins=4, REACH SVHC="No SVHC", RoHSCompliant=True, Tolerance=30ppm, Width="0.126 inch"
R201 R202 R508_1 R508_2 R508_3 R508_4 R510_1 R510_2 R510_3 R510_4: library part CMP-029-000004-8, "SMD type resistor", Resistance=100Ω, Design Item ID=Resistor, Source=robit_passive.SchLib
R401 R402 R403 R404 R405 R406 R407 R409 R410 R411 R412 R512_1 R512_2 R512_3 R512_4 R513_1 R513_2 R513_3 R513_4 R514_1 R514_2 R514_3 R514_4: library part Resistor
R408: library part Resistor, "0.1W, 0603"
R501_1 R501_2 R501_3 R501_4: library part CMP-029-000004-8, "SMD type resistor", Resistance=470kΩ, Design Item ID=Resistor, Source=robit_passive.SchLib
R502_1 R502_2 R502_3 R502_4: library part CMP-029-000004-8, "SMD type resistor", Resistance=16.2kΩ, Design Item ID=Resistor, Source=robit_passive.SchLib
R503_1 R503_2 R503_3 R503_4: library part CMP-029-000004-8, "SMD type resistor", Resistance=14.7kΩ, Design Item ID=Resistor, Source=robit_passive.SchLib
R504_1 R504_2 R504_3 R504_4: library part CMP-029-000004-8, "SMD type resistor", Resistance=47.6kΩ, Design Item ID=Resistor, Source=robit_passive.SchLib
R505_1 R505_2 R505_3 R505_4 R506_1 R506_2 R506_3 R506_4: library part CMP-029-000004-8, "SMD type resistor", Resistance=10kΩ, Design Item ID=Resistor, Source=robit_passive.SchLib
R509_1 R509_2 R509_3 R509_4: library part CMP-029-000004-8, "SMD type resistor", Resistance=4.2kΩ, Design Item ID=Resistor, Source=robit_passive.SchLib
R511_1 R511_2 R511_3 R511_4: library part Resistor, "R(SNS)"
U201 U202: library part CMP-026-000034-1, "5-V to 75-V 400-uA IQ ORing FET controller 6-SOT-23-THIN -40 to 125"
U401: library part CMP-0474-00539-1, "Surge Stopper with Ideal Diode, 4 to 80 V Vin, 16-pin SOP (MS-16), -40 to 85 degC, Pb-Free", Extended Temp="C, I, H", Manufacturer="Linear Technology", Power Good=no, Active Limiting=yes, Circuit Breaker Accuracy(%)=10, Circuit Breaker Threshold="50 mV", Circuit Breakers(#)=1, ComponentLink1Description="Manufacturer URL", ComponentLink1URL=http://www.linear.com/, ComponentLink2Description=Datasheet, ComponentLink2URL=http://cds.linear.com/docs/en/datasheet/436412f.pdf, ComponentLink3Description="Package Specification", ComponentLink3URL=http://cds.linear.com/docs/en/packaging/05081669_A_MS16.pdf, Fast Comparator=no, Mounting Technology="Surface Mount", PackageDescription="16-Pin Plastic MSOP, Body 4.04 x 3.00 mm, Pitch 0.50 mm", PackageReference=MS16, PackageVersion="Rev. Ã˜, 06/2010", PartNumber=LTC4364IMS-2#PBF, RoHS=TRUE, Vin Range="4 to 80 V"
U402 U403 U404 U405 U406 U407 U408 U409: "Infineonâ€™s OptiMOSâ„¢ power MOSFET in TO-Leadless package is optimized for high current applications up to 300 A, such as forklifts, light electric vehicles (LEV), power tools, point-of-loads (POL), telecom and e-fuses. Furthermore, the 60 percent smaller package size enables a very compact design. Compared to DÂ²PAK 7-pin, TO-Leadless shows a substantial reduction in footprint of 30 percent. The 50 percent reduced height offers a significant advantage in narrow applications such as rack or blade servers.", Manufacturer_Name=Infineon, Copyright="Copyright (C) 2025 Ultra Librarian. All rights reserved.", Manufacturer_Part_Number=IPT015N10N5ATMA1, RefDes=RefDes, Type=Type
U501_1 U501_2 U501_3 U501_4: "Integrated Circuit", Manufacturer_Name="Texas Instruments", Datasheet Link=https://www.ti.com/lit/ds/slusee5c/slusee5c.pdf, Height=1.1mm, Manufacturer_Part_Number=TPS48111-Q1

## Via types
v1: diameter 0.6, hole 0.3, Top Layer to Bottom Layer, 440 vias
v2: diameter 5.5, hole 3.2, Top Layer to Bottom Layer, 8 vias

## Nets (pads, with @x,y where several pads share a name; then routed paths per layer and width w, separated by ;. In a path a pad name is that pad's centre, name@x,y a point inside that pad or via, vN(x,y) a via of type N, cw(c..) or ccw(c..) an arc to the next point about the centre after c; other vN are vias at no path point)
BST_1: C505_1.1 U501_1.12 | length 4.3
  Top Layer w0.178: U501_1.12@113.218,92.908 113.225,92.901 114.073,92.901 115.548,91.425 C505_1.1@115.548,90.086
BST_2: C505_2.1 U501_2.12 | length 4.3
  Top Layer w0.178: U501_2.12@139.319,134.363 139.326,134.37 139.326,135.218 140.802,136.693 C505_2.1@142.141,136.693
BST_3: C505_3.1 U501_3.12 | length 4.3
  Top Layer w0.178: U501_3.12@139.316,165.203 139.323,165.21 139.323,166.057 140.799,167.533 C505_3.1@142.138,167.533
BST_4: C505_4.1 U501_4.12 | length 4.3
  Top Layer w0.178: C505_4.1@102.303,201.149 102.303,199.809 103.778,198.334 104.626,198.334 U501_4.12@104.633,198.327
DGATE: D403.1 U401.4 U406.1 U407.1 U408.1 U409.1 | length 72.2
  Top Layer w0.178: 105.701,117.263 U401.4@107,117.263
  Top Layer w0.508: U409.1@104.274,136.634 105.763,136.634 106.24,137.11 106.24,149.716 105.797,150.159 ; U408.1@104.274,150.223 105.86,150.223 106.24,150.603 106.24,163.163 105.591,163.812 ; U407.1@104.274,163.812 105.591,163.812 ; U406.1@104.274,177.274 104.455,177.092 105.915,177.092 106.24,176.767 106.24,164.461 105.591,163.812 ; 105.701,117.263 105.482,117.263 105.184,117.561 105.184,119.002 104.401,119.786 104.341,119.786 102.365,121.763 D403.1@102.365,123.414 103.786,124.835 104.804,124.835 106.24,126.271 106.24,136.097 105.823,136.513
DIOD_1: C508_1.1 Q504_1.1 Q504_1.3 U501_1.10 | length 9.5
  Top Layer w0.178: U501_1.10@108.794,92.408 109.846,92.408 v1(110.346,92.908)
  Bottom Layer w0.254: v1(110.346,92.908) 110.405,92.908 110.584,93.087 111.217,93.087 111.244,93.06 111.815,93.06 112.038,92.837 112.038,92.737 112.348,92.428 Q504_1.1@112.548,92.428 112.616,92.428 113.348,93.16 113.348,93.191 113.535,93.378 Q504_1.3@114.748,93.378 C508_1.1@117.228,93.378
DIOD_2: C508_2.1 Q504_2.1 Q504_2.3 U501_2.10 | length 9.5
  Top Layer w0.178: v1(139.319,131.491) 139.819,130.991 U501_2.10@139.819,129.939
  Bottom Layer w0.254: C508_2.1@138.849,138.373 Q504_2.3@138.849,135.893 138.849,134.68 139.036,134.493 139.067,134.493 139.799,133.761 Q504_2.1@139.799,133.693 139.799,133.493 139.49,133.183 139.39,133.183 139.167,132.96 139.167,132.389 139.14,132.362 139.14,131.729 139.319,131.55 v1(139.319,131.491)
DIOD_3: C508_3.1 Q504_3.1 Q504_3.3 U501_3.10 | length 9.5
  Top Layer w0.178: v1(139.316,162.33) 139.816,161.83 U501_3.10@139.816,160.779
  Bottom Layer w0.254: C508_3.1@138.846,169.212 Q504_3.3@138.846,166.732 138.846,165.519 139.033,165.333 139.064,165.333 139.796,164.6 Q504_3.1@139.796,164.532 139.796,164.332 139.487,164.023 139.387,164.023 139.164,163.8 139.164,163.229 139.137,163.202 139.137,162.569 139.316,162.39 v1(139.316,162.33)
DIOD_4: C508_4.1 Q504_4.1 Q504_4.3 U501_4.10 | length 10.1
  Top Layer w0.178: v1(107.505,198.327) 108.005,198.827 U501_4.10@109.057,198.827
  Bottom Layer w0.254: C508_4.1@102.362,195.056 102.362,196.166 103.103,196.907 Q504_4.3@103.103,197.857 104.316,197.857 104.503,198.044 104.503,198.075 105.235,198.807 Q504_4.1@105.303,198.807 105.503,198.807 105.813,198.497 105.813,198.398 106.036,198.174 106.607,198.174 106.634,198.148 107.267,198.148 107.446,198.327 v1(107.505,198.327)
EFUSE_OUT1: D502_1.2 J705.1 Q503_1.5-6
EFUSE_OUT2: D502_2.2 J706.1 Q503_2.5-6
EFUSE_OUT3: D502_3.2 J707.1 Q503_3.5-6
EFUSE_OUT4: D502_4.2 J708.1 Q503_4.5-6
  other v1: 93.938,209.994 100.609,209.994 93.938,211.328 100.609,211.328 93.938,212.662 95.272,212.662 96.607,212.662 97.941,212.662 99.275,212.662 100.609,212.662
EN/UVLO_1: R501_1.1 R502_1.2 U501_1.1 | length 4.1
  Top Layer w0.178: R502_1.2@107.313,99.521 R501_1.1@108.794,99.521 U501_1.1@108.794,96.908
EN/UVLO_2: R501_2.1 R502_2.2 U501_2.1 | length 4.1
  Top Layer w0.178: R502_2.2@132.706,128.458 R501_2.1@132.706,129.939 U501_2.1@135.319,129.939
EN/UVLO_3: R501_3.1 R502_3.2 U501_3.1 | length 4.1
  Top Layer w0.178: R502_3.2@132.703,159.298 R501_3.1@132.703,160.779 U501_3.1@135.316,160.779
EN/UVLO_4: R501_4.1 R502_4.2 U501_4.1 | length 4.1
  Top Layer w0.178: U501_4.1@109.057,194.327 R501_4.1@109.057,191.714 R502_4.2@110.538,191.714
ENABLE: U401.14
FAULT: U401.13